# Altium PCB jlinkv9_big.PcbDoc
Units mil, origin at the board's own origin, x right, y up, seen from the top; angles counter-clockwise.
Board outline 3304 x 1387.96 mil, 2 copper layers (Top Layer, Bottom Layer); 66 components, 78 nets, 335 pads, 101 vias.
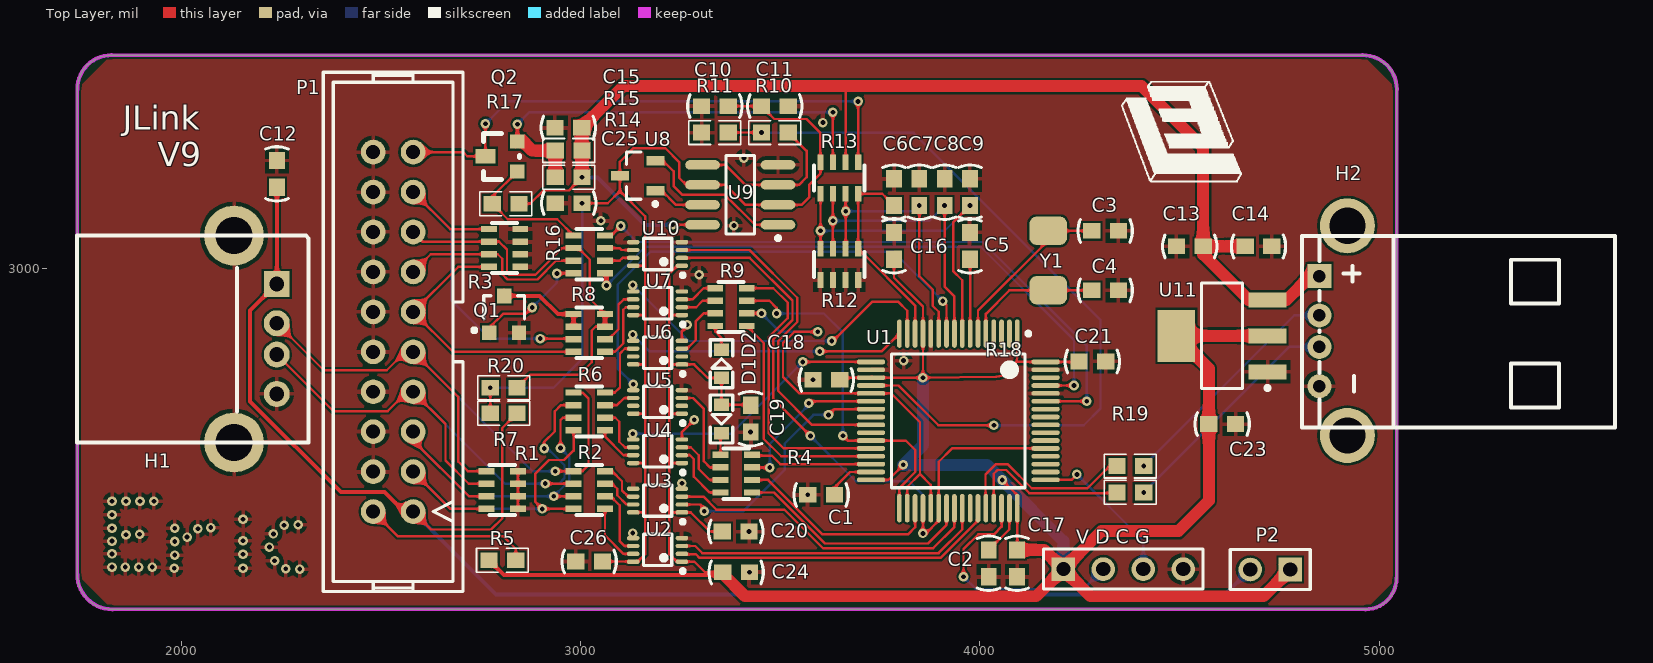
[diagram p0: Top Layer view]
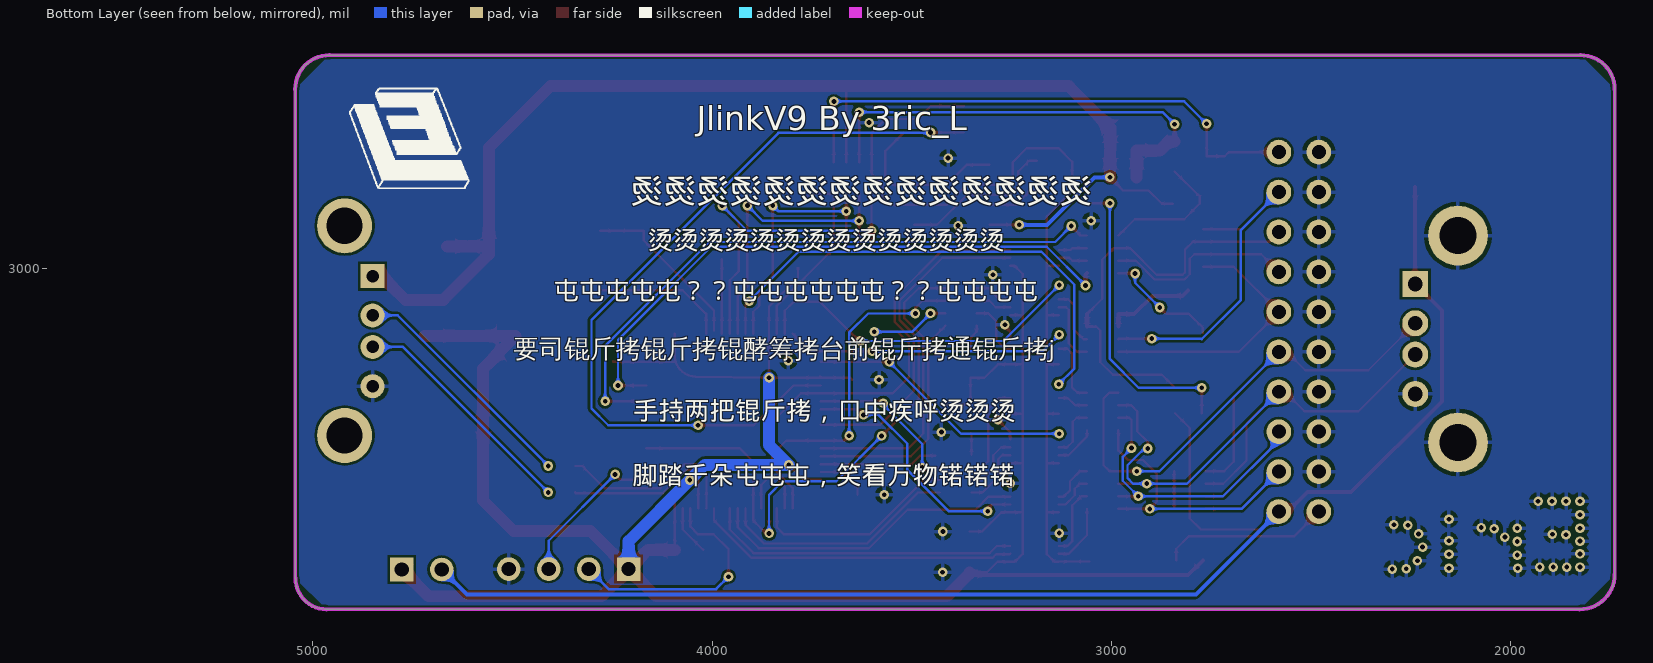
[diagram p1: Bottom Layer view, seen from below]
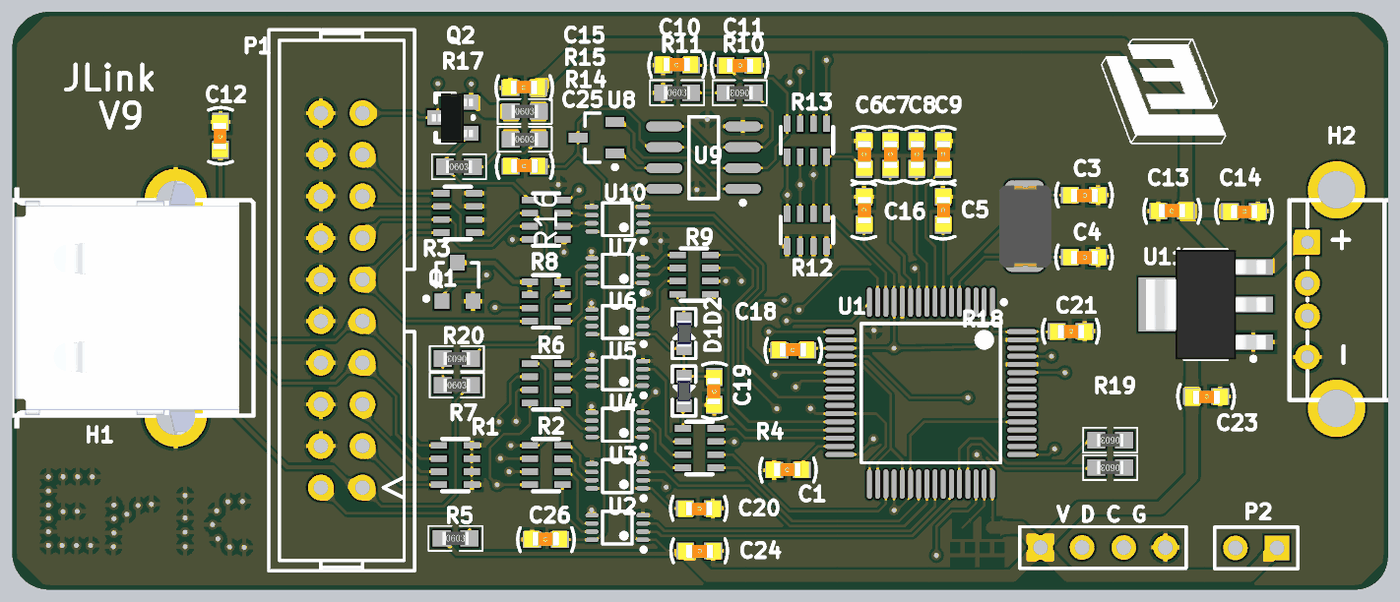
[diagram p2: 3D render of the assembled board from above, using the file's embedded part models]

## Layer stack, top to bottom
Top Solder: solder mask 0.4, Solder Resist, Dk 3.5
Top Layer: signal copper 1.4
Dielectric 1: dielectric 12.6, FR-4, Dk 4.8
Bottom Layer: signal copper 1.4
Bottom Solder: solder mask 0.4, Solder Resist, Dk 3.5

## Board outline
1740,2234.04 1740,3448 cw(c1826,3448) 1826,3534 4958,3534 cw(c4958,3448) 5044,3448 5044,2224.08 5043.05,2224.08 cw(c4965,2224.08) 4965,2146.04 1828,2146.04 cw(c1828,2234.04)

## Design rules (kind name [scope] priority, off if disabled: settings)
Clearance [All] p1: gap=6 ignorepadtopadclearanceinfootprint=FALSE
PolygonConnect [All] p1: connectstyle=Relief reliefconductorwidth=10 reliefentries=4 polygonreliefangle="90 Angle" airgapwidth=10
RoutingVias [All] p1: holewidth=28 width=50 viastyle="Through Hole" minholewidth=28 minwidth=50 maxholewidth=28 maxwidth=50
SolderMaskExpansion [All] p1: expansion=4
Width [All] p1: maxlimit=50 minlimit=6 preferedwidth=6
30 further rules are at their usual default settings.

## Components (designator, comment, footprint, x,y, rotation, side; value= is the part's Value field where it differs from the comment)
C1 "cap0603" cap0603 3236,2368 r0 top
C2 "cap0603" cap0603 4087,1894.93 r90 top
C3 "cap0603" cap0603 4680.07,3159 r180 top
C4 "cap0603" cap0603 4680.07,3010 r180 top
C5 "cap0603" cap0603 3910,3423 r270 top
C6 "cap0603" cap0603 3720,3557.07 r270 top
C7 "cap0603" cap0603 3783.33,3557.07 r270 top
C8 "cap0603" cap0603 3846.67,3557.07 r270 top
C9 "cap0603" cap0603 3910,3557.07 r270 top
C10 "cap0603" cap0603 2970,3341 r0 top
C11 "cap0603" cap0603 3853.07,3471 r180 top
C12 "cap0603" cap0603 2305,2870 r90 top
C13 "cap0603" cap0603 4158.93,2990 r0 top
C14 "cap0603" cap0603 5064.07,3120 r180 top
C15 "cap0603" cap0603 2602.93,3287 r0 top
C16 "cap0603" cap0603 3720,3423 r270 top
C17 "cap0603" cap0603 4158,1894.93 r90 top
C18 "cap0603" cap0603 3249,2656 r0 top
C19 "cap0603" cap0603 3491,2256.93 r90 top
C20 "cap0603" cap0603 3755.07,2406 r180 top
C21 "cap0603" cap0603 4648,2832 r180 top
C23 "cap0603" cap0603 4973.07,2675 r180 top
C24 "cap0603" cap0603 3756.07,2304 r180 top
C25 "cap0603" cap0603 2604,3098 r0 top
C26 "cap0603" cap0603 2655,2201 r0 top
D1 "LED" LED_0603_R 3351,2625 r270 top
D2 "LED" LED_0603_B 3353,2761 r90 top
H1 "USB母座" USB母座 2186,2823 r180 top
H2 "USB公头" USB公头 4885,2844 r180 top
P1 "JTAG" JTAG 2531,2841 r90 top
P2 "Header 2" HDR1X2 4777,2246 r180 top
Q1 "SS8050" SOT-23 2809,2885 r0 top
Q2 "S8550" 2N5551 2797,3281 r90 top
R1 "1K*4排阻" 1K*4排阻 2804,2445 r270 top
R2 "1K*4排阻" 1K*4排阻 3022,2445 r90 top
R3 "1K*4排阻" 1K*4排阻 2810,3051 r90 top
R4 "1K*4排阻" 1K*4排阻 3390,2486 r90 top
R5 "R0603" R0603 2894.54,2186 r0 top
R6 "1K*4排阻" 1K*4排阻 3022,2641.67 r90 top
R7 "R0603" R0603 2897.54,2554 r0 top
R8 "1K*4排阻" 1K*4排阻 3022,2838.33 r90 top
R9 "1K*4排阻" 1K*4排阻 3377,2903 r90 top
R10 "R0603" R0603 3396.46,3423 r180 top
R11 "R0603" R0603 3426.54,3257 r0 top
R12 "1K*4排阻" 1K*4排阻 3648,3010 r180 top
R13 "1K*4排阻" 1K*4排阻 3648,3226 r0 top
R14 "R0603" R0603 3060.46,3145 r0 top
R15 "R0603" R0603 3060.46,3212 r0 top
R16 "1K*4排阻" 1K*4排阻 3022,3035 r90 top
R17 "R0603" R0603 2902.46,3079 r0 top
R18 "R0603" R0603 4286.54,2522 r180 top
R19 "R0603" R0603 4286.54,2588 r180 top
R20 "R0603" R0603 2717.54,2784 r180 top
U1 "STM32F205RCT6" LQFP64_N 3946,2618 r270 top
U2 "74LVC2T45" 74LVC2T45 3192.98,2295 r90 top
U3 "74LVC2T45" 74LVC2T45 3192.98,2418.5 r90 top
U4 "74LVC2T45" 74LVC2T45 3192.98,2542 r90 top
U5 "74LVC2T45" 74LVC2T45 3192.98,2665.5 r90 top
U6 "74LVC2T45" 74LVC2T45 3192.98,2789 r90 top
U7 "74LVC2T45" 74LVC2T45 3192.98,2912.5 r90 top
U8 "BAT54C" SOT-23_N 3143,3232 r180 top
U9 "LM2904_NSC" SO8_N 3400,3184 r180 top
U10 "74LVC2T45" 74LVC2T45 3192.98,3036 r90 top
U11 "AMS1117_3.3" AMS1117_3.3 4659,2800 r90 top
"V D C G" "Header 4" HDR1X4 4209,2247 r0 top (schematic designator P3)
Y1 "XTAL-2PIN" XTAL-2PIN 4171,3094 r270 top

## Footprints (in the part's own frame and the unit in brackets; to place one, negate y for a bottom-side part, rotate by r counter-clockwise, add the part's x,y. Pads: shape width x height; smd on the part's side, far side on the other; paste and mask are expansions set on the pad)
1K*4排阻 [mm]
  rect 0.4x1 smd: 1(-1.2,-1) 2(-1.2,1) 3(-0.4,-1) 4(-0.4,1) 5(0.4,-1) 6(0.4,1) 7(1.2,-1) 8(1.2,1)
  silkscreen extent -1.6,-0.8 1.6,0.8, body extent -1.6,-0.84 1.6,0.84, height 0.5
2N5551 [mil]
  rect 36x36 smd: 1(-38.5,-45) 2(36.5,-45)
  rect 36x50 smd: 3(-0.5,35)
  silkscreen extent -58,-50 56,40, body extent -61,-49 58,49, height 44
74LVC2T45 [mm]
  oval 0.28x0.8 smd mask+0.051: 1(-0.75,-1.55) 2(-0.25,-1.55) 3(0.25,-1.55) 4(0.75,-1.55) 5(0.75,1.55) 6(0.25,1.55) 7(-0.25,1.55) 8(-0.75,1.55)
  silkscreen extent -1.47,-1.73 1,0.9
AMS1117_3.3 [mm]
  rect 0.95x2.4 smd: 1(-1.503,-1.554) 2(0.787,-1.554) 3(3.077,-1.554)
  rect 3.3x2.4 smd: 2(0.787,4.246)
  silkscreen extent -2.65,-1.68 4.14,2.65, body extent -2.56,-2.3 4.14,5, height 1.8
cap0603 [mm]
  rect 1.1x1 smd: 1(8.46,1.651) 2(10.16,1.651)
  silkscreen extent 7.58,0.92 11.04,2.38, body extent 7.98,1.18 10.58,2.18, height 0.89
HDR1X2 [mm] "Connector; Header; 2 Position"
  rect 1.5x1.5 hole 0.9: 1(0,0)
  round 1.5 hole 0.9: 2(2.54,0)
  silkscreen extent -1.27,-1.27 3.81,1.27
HDR1X4 [mm] "Connector; Header; 4 Position"
  rect 1.5x1.5 hole 0.9: 1(0,0)
  round 1.5 hole 0.9: 2(2.54,0) 3(5.08,0) 4(7.62,0)
  silkscreen extent -1.27,-1.27 8.89,1.27
JTAG [mil]
  round 62 hole 35: 1(-450,-50) 2(-450,50) 3(-350,-50) 4(-350,50) 5(-250,-50) 6(-250,50) 7(-150,-50) 8(-150,50) 9(-50,-50) 10(-50,50) 11(50,-50) 12(50,50) 13(150,-50) 14(150,50) 15(250,-50) 16(250,50) 17(350,-50) 18(350,50) 19(450,-50) 20(450,50)
  silkscreen extent -650,-175 650,175, body extent -653,-178 652,175, height 200
LED_0603_B [mm]
  rect 0.8x0.95 smd: 1(-0.9,0) 2(0.9,0)
  silkscreen extent -1.52,-0.71 1.52,0.71, body extent -0.8,-0.43 0.8,0.41, height 0.8
LED_0603_R [mm]
  rect 0.8x0.95 smd: 1(-0.849,0.051) 2(0.951,0.051)
  silkscreen extent -1.47,-0.66 1.57,0.76, body extent -0.75,-0.34 0.85,0.46, height 0.8
LQFP64_N [mm] "Thin QFP, 64-Leads, Body 10x10mm, Pitch 0.5mm, IPC Medium Density"
  oval 1.8x0.3 smd: 1(-5.55,3.75) 2(-5.55,3.25) 3(-5.55,2.75) 4(-5.55,2.25) 5(-5.55,1.75) 6(-5.55,1.25) 7(-5.55,0.75) 8(-5.55,0.25) 9(-5.55,-0.25) 10(-5.55,-0.75) 11(-5.55,-1.25) 12(-5.55,-1.75) 13(-5.55,-2.25) 14(-5.55,-2.75) 15(-5.55,-3.25) 16(-5.55,-3.75) 33(5.55,-3.75) 34(5.55,-3.25) 35(5.55,-2.75) 36(5.55,-2.25) 37(5.55,-1.75) 38(5.55,-1.25) 39(5.55,-0.75) 40(5.55,-0.25) 41(5.55,0.25) 42(5.55,0.75) 43(5.55,1.25) 44(5.55,1.75) 45(5.55,2.25) 46(5.55,2.75) 47(5.55,3.25) 48(5.55,3.75)
  oval 0.3x1.8 smd: 17(-3.75,-5.55) 18(-3.25,-5.55) 19(-2.75,-5.55) 20(-2.25,-5.55) 21(-1.75,-5.55) 22(-1.25,-5.55) 23(-0.75,-5.55) 24(-0.25,-5.55) 25(0.25,-5.55) 26(0.75,-5.55) 27(1.25,-5.55) 28(1.75,-5.55) 29(2.25,-5.55) 30(2.75,-5.55) 31(3.25,-5.55) 32(3.75,-5.55) 49(3.75,5.55) 50(3.25,5.55) 51(2.75,5.55) 52(2.25,5.55) 53(1.75,5.55) 54(1.25,5.55) 55(0.75,5.55) 56(0.25,5.55) 57(-0.25,5.55) 58(-0.75,5.55) 59(-1.25,5.55) 60(-1.75,5.55) 61(-2.25,5.55) 62(-2.75,5.55) 63(-3.25,5.55) 64(-3.75,5.55)
  silkscreen extent -5.67,-4.25 4.25,4.58, body extent -5,-5 5,5, height 1.6
R0603 [mm]
  rect 1.1x1 smd: 1(-3.136,2.108) 2(-1.436,2.108)
  silkscreen extent -3.94,1.35 -0.64,2.87, body extent -3.09,1.71 -1.49,2.51, height 0.45
SO8_N [mm] "SOIC, 8-Leads, Body 4.9x3.9mm, Pitch 1.27mm, IPC Medium Density"
  oval 2.2x0.6 smd: 1(-2.4,1.905) 2(-2.4,0.635) 3(-2.4,-0.635) 4(-2.4,-1.905) 5(2.4,-1.905) 6(2.4,-0.635) 7(2.4,0.635) 8(2.4,1.905)
  silkscreen extent -2.53,-2.5 0.9,2.88, body extent -2,-2.5 2,2.5, height 1.75
SOT-23 [mm]
  rect 0.9x0.95 smd: 1(-0.95,-1.175) 2(0.95,-1.175) 3(0,1.175)
  silkscreen extent -2.03,-1.14 1.3,1.18
SOT-23_N [mm] "SOT23, 3-Leads, Body 2.9x1.3mm, Pitch 0.95mm, Lead Span 2.5mm, IPC Medium Density"
  rect 1.15x0.6 smd: 1(-1.125,0.95) 2(-1.125,-0.95) 3(1.125,0)
  silkscreen extent -1.25,-1.5 0.7,1.92, body extent -0.7,-1.5 0.7,1.5, height 1.1
USB公头 [mil]
  rect 60x60 hole 31.5: 1(35,-136.5)
  round 60 hole 31.5: 2(35,-38.08) 3(35,40.66) 4(35,139.09)
  round 137.8 hole 90.55: 5(-35,262.5) 5(-35,-262.5)
  silkscreen extent -705,-238 78,242, body extent -710,-258 55,262, height 90
USB母座 [mil]
  rect 65x65 hole 37: 1(-53.5,-138)
  round 65 hole 37: 2(-53.5,-39.5) 3(-53.5,39) 4(-53.5,137.6)
  round 150 hole 93: 5(53.5,-259) 6(53.5,259)
  silkscreen extent -134,-259 447,259, body extent -99,-311 441,311, height 274
XTAL-2PIN [mm]
  rrect50% 1.8x2.4 smd: 1(0,0) 2(3.785,0)
  body extent -0.59,-1.56 4.41,1.64, height 1.35

## Part data
P2: "Header, 2-Pin"
Q1: "NPN贴片三极管"
U1: "STM32 ARM-based 32-bit MCU Connectivity Line with 256 kB Flash, 96 kB Internal RAM, -40 to +85癈 Temperature, 64-Pin LQFP, Tray"
U2 U3 U4 U5 U6 U7 U10: "2T45"
U9: "Fast Settling Dual Operational Amplifier"
"V D C G": "Header, 4-Pin"

## Via types
v1: diameter 24, hole 12, Top Layer to Bottom Layer, tented both sides, 101 vias

## Nets (pads, with @x,y where several pads share a name; then routed paths per layer and width w, separated by ;. In a path a pad name is that pad's centre, name@x,y a point inside that pad or via, vN(x,y) a via of type N, cw(c..) or ccw(c..) an arc to the next point about the centre after c; other vN are vias at no path point)
3V3: "V D C G.1" C16.2 C17.2 C18.2 C19.2 C20.2 C21.2 C23.2 C24.2 D1.1 D2.1 P2.1 R5.1 U1.1 U1.13 U1.19 U1.32 U1.48 U1.64 U2.1 U3.1 U4.1 U5.1 U6.1 U7.1 U10.1 U11.2 | length 6884.8
  Top Layer w6: 3222.55,2635.97 U5.1 ; 3222.55,2882.97 U7.1 ; U4.1 3223,2512.47 3222.53,2512 ; U10.1 3242.47,3006.47 3222.53,2986.53 3222.53,2883 3222.53,2759 ; C20.2 3324,2341 3276.03,2388.97 U3.1 3223.55,2388.97 3222.53,2390 ; C24.2 3311.68,2239 3285.21,2265.47 U2.1 3241.53,2265.47 3222.53,2284.47 3222.53,2390 ; C19.2 3424.5,2658.43 D1.1 D2.1 3318.43,2725.57 3284.53,2759.47 U6.1 3223,2759.47 3222.53,2759 ; C18.2 3654,2726 3696,2726 3696.27,2726.27 U1.19 ; U1.32 3770.36,2470.36 v1(3808,2508) ; U1.19@3730.23,2726 v1(3857.42,2726) ; C16.2@3785,3002.07 3785,2976.58 3857.42,2904.17 U1.13 v1(3857.42,2726) ; v1(4056,2470) 4093.64,2432.36 U1.48 4093.64,2295.57 C17.2 ; U1.1 4093.64,2781.64 cw(c4041,2781.64) 4091.15,2765.64 ; C21.2 4246.64,2765.64 U1.64 4091.15,2765.64 ; 3222.53,2390 3222.53,2512 ; 3222.53,2512 3222.53,2636 3222.53,2759 ; U1.19 cw(c3730.23,2726.27) 3730.23,2729 U1.19 ; v1(3857.42,2726) 4041,2729 ccw(c4041,2781.64) 4090.95,2765.02 4090.95,2765.64 4091.15,2765.64
  Top Layer w10: R5.1 2808.07,2232 3349.07,2232 C24.2
  Top Layer w30: C24.2 3356.07,2234.89 3411.96,2179 4141,2179 4209,2247 ; C17.2 4161.07,2294.93 4209,2247 ; U11.2@4720.17,2831 4491.83,2831 4573.07,2749.76 C23.2 4573.07,2418.07 4497,2342 4304,2342 4209,2247 ; P2.1 4710,2179 4277,2179 4209,2247
  Bottom Layer w30: v1(3857.42,2726) 3857.42,2557.42 v1(3808,2508) 4018,2508 v1(4056,2470) 4209,2317 4209,2247
5V: C13.2 C14.2 C15.2 H2.1 R13.6 R14.2 R15.2 R17.2 U9.8 U11.3 | length 3249.4
  Top Layer w6: R17.2 2874,3162 2907,3195 2970.93,3195 v1(3003.93,3228) ; v1(3231,3109) U9.8 ; 3663,3456 3663.75,3455.25 R13.6
  Top Layer w30: v1(3003.93,3228) R15.2 3002.93,3296 C15.2 3106.93,3456 3663,3456 4405,3456 4558.93,3302.07 C13.2 ; C14.2 C13.2 ; H2.1 4827.5,2980.5 4768.16,2921.16 U11.3 4672.84,2921.16 4558.93,3035.07 C13.2
  Bottom Layer w10: v1(3003.93,3228) 3043,3228 3162,3109 v1(3231,3109)
DDM: R19.2 U1.44 | length 472.1
  Top Layer w6: U1.44 4014,2400.39 4014,2484 4039,2509 4070,2509 4129.64,2449.36 4269.36,2449.36 4325,2505 R19.2
DDP: R18.2 U1.45 | length 423
  Top Layer w6: U1.45 4034.58,2485.58 4044,2495 4066,2495 4123.64,2437.36 4341.43,2437.36 R18.2
eNSRST: P1.15 R3.6 R8.5 R8.7 R16.6 R20.1 | length 1073.1
  Top Layer w6: P1.15 2605.25,3066.75 R3.6 2796.25,3066.75 2816,3047 2816,2989.97 2821.97,2984 2887.03,2984 2953.78,3050.75 R16.6 2994.25,3050.75 3023,3022 3023,2923.95 R8.7 ; R20.1 2874.01,2734 2997,2734 3028,2765 3028,2844 3038.08,2854.08 R8.5
  Top Layer w10: R8.5 R8.7
eNTRST: P1.3 R1.7 R2.2 R6.2 | length 928.2
  Top Layer w6: P1.3 2674.24,2397.76 R1.7 ; R2.2 v1(2904.24,2397.76) 2887,2415 2887,2486 2921,2520 2959,2520 2982.63,2543.63 R6.2
  Bottom Layer w6: P1.3 2674.24,2397.76 v1(2904.24,2397.76)
ePWR: P1.19 Q2.3 R13.8 | length 1375.8
  Top Layer w6: P1.19 2706,3291 2716.5,3280.5 Q2.3 v1(2762,3362) ; v1(3695,3418) 3695,3265.61 R13.8
  Bottom Layer w6: v1(2762,3362) 2818,3418 v1(3695,3418)
eRTCK: P1.11 R3.2 R8.2 | length 679.3
  Top Layer w6: R3.2 2693.76,3003.76 P1.11 2680.91,2791.09 R8.2
eRXD: P1.17 R3.8 R8.4 | length 886
  Top Layer w6: P1.17 2673.76,3098.24 R3.8 ; v1(2899,2824) 2981.22,2824 R8.4
  Bottom Layer w6: P1.17 2676,3096 2676,2921 2774.41,2822.59 2775.83,2824 v1(2899,2824)
eTCK: H1.2 P1.9 R1.1 R2.8 R6.8 | length 1591.1
  Top Layer w6: H1.2 2357,2745 2515,2745 2561,2791 P1.9 2694,2678 2694,2516 2717.76,2492.24 R1.1 ; v1(2937,2492) 2982.39,2492 R2.8 3005.24,2492.24 3020,2507 3020,2674 3005.09,2688.91 R6.8
  Bottom Layer w6: P1.9 2880,2492 v1(2937,2492)
eTDI: P1.5 R1.5 R2.4 R6.4 | length 996.1
  Top Layer w6: P1.5 2581,2569 2720.75,2429.25 R1.5 ; v1(2933,2429.25) R2.4 ; v1(2950,2550) 2950,2620 2955.92,2625.92 R6.4
  Bottom Layer w6: P1.5 2581,2569 2720.75,2429.25 v1(2933,2429.25) 2972,2468.25 2972,2528 v1(2950,2550)
eTDO: P1.13 R3.4 R16.4 | length 488.6
  Top Layer w6: P1.13 2625.25,3035.25 R3.4 2792.75,3035.25 2804,3024 2804,2985 2817,2972 2892,2972 2939.25,3019.25 R16.4
eTMS: H1.3 P1.7 R1.3 R2.6 R6.6 | length 1562.3
  Top Layer w6: H1.3 2240.38,2784 2262.58,2761.8 2262.58,2760.92 2381.5,2642 2517,2642 2566,2691 P1.7 2662,2610 2662,2519 2720.25,2460.75 R1.3 ; v1(2909,2549) 2909,2565 2936,2592 2936,2642 2951.41,2657.41 R6.6 ; v1(2912,2461) 2982.38,2461 R2.6
  Bottom Layer w6: P1.7 2811.25,2460.75 2811.5,2461 v1(2912,2461) 2945.5,2461 2945.75,2460.75 2960,2475 2960,2507 2918,2549 v1(2909,2549)
GND: "V D C G.4" C1.1 C2.1 C3.1 C4.1 C5.1 C6.1 C7.1 C8.1 C9.1 C10.1 C11.1 C12.2 C13.1 C14.1 C15.1 C16.1 C17.1 C18.1 C19.1 C20.1 C21.1 C23.1 C24.1 C25.1 C26.1 H1.4 H1.5 H1.6 H2.4 P1.4 P1.6 P1.8 P1.10 P1.12 P1.14 P1.16 P1.18 P1.20 Q1.2 R1.2 R1.4 R1.6 R1.8 R3.1 R3.3 R3.5 R3.7 R11.1 R12.2 R12.4 R12.6 R12.8 U1.12 U1.18 U1.60 U1.63 U2.4 U2.5 U3.4 U3.5 U4.4 U5.4 U6.4 U7.4 U9.4 U10.4 U10.5 U11.1 | length 202.7
  Top Layer w6: R1.8 R1.6 R1.4 R1.2 ; U4.4 3254,2590 v1(3285,2621) ; U6.4 3254,2842 3267,2855 v1(3267,2859)
  other v1: 3423,2239 2297,2247 2262,2248 1983,2249 2155,2249 1827,2252 1860,2252 1894,2252 1928,2252 2234,2268 1984,2282 2155,2284 1827,2285 2221,2302 1984,2316 1827,2317 2155,2318 2015,2327 1862,2333 1896,2334 2231,2335 3131,2337 3422,2341 2042,2348 1827,2349 1984,2349 2074,2351 2258,2357 2293,2358 2155,2372 1827,2383 1827,2417 1862,2417 1897,2417 1932,2417 3569.07,2433 3254,2462 3426,2590 3582.07,2721 3809,2769 3297,2984 3384,3107 3051,3119 3409,3276 3607,3365
nCTL1: U1.10 U5.5 | length 1250.3
  Top Layer w6: v1(3907,2918) 3916.47,2908.53 U1.10
  Bottom Layer w6: v1(3132,2710) 3093,2749 3093,2959 3176,3042 3783,3042 v1(3907,2918)
nCTL2: U1.15 U7.5 | length 852.2
  Top Layer w6: v1(3629,2818) 3632,2818 3730,2916 3796,2916 3818.05,2893.95 U1.15
  Bottom Layer w6: v1(3131,2958) 3271,2818 v1(3629,2818)
nCTL3: U1.16 U6.5 | length 703.2
  Top Layer w6: v1(3599,2792) 3753.86,2792 U1.16
  Bottom Layer w6: v1(3131,2834) 3173,2792 v1(3599,2792)
nCTL4: U1.17 U4.5 | length 671
  Top Layer w6: v1(3556.31,2765.69) U1.17@3727.5,2765.69
  Bottom Layer w6: v1(3131,2586) 3376.63,2586 v1(3556.31,2765.69)
nDAT1: U1.43 U2.2 | length 815.1
  Top Layer w6: U2.2 3255.16,2284 3289,2284 3298,2275 3901.64,2275 3995.21,2368.57 U1.43
nDAT2: U1.41 U2.3 | length 787.1
  Top Layer w6: U2.3 3287.16,2304.84 3305,2287 3896.67,2287 3955.84,2346.17 U1.41
nDAT3: U1.23 U3.2 | length 629
  Top Layer w6: U3.2 3300.34,2408.66 3310,2399 v1(3310,2392) ; v1(3621,2633) 3635.53,2647.53 U1.23
  Bottom Layer w6: v1(3310,2392) 3408,2392 3511,2495 3511,2561 3583,2633 v1(3621,2633)
nDAT4: U1.40 U3.3 | length 805.1
  Top Layer w6: U3.3 3307.66,2428.34 3340,2396 3510.06,2396 3607.06,2299 3883,2299 3936.16,2352.16 U1.40
nDAT5: R4.1 U1.39 | length 601.3
  Top Layer w6: R4.1 3484.27,2438.76 3612.03,2311 3870,2311 3916.47,2357.47 U1.39
nDAT6: R4.3 U1.35 | length 519.9
  Top Layer w6: R4.3 3469.75,2470.25 3606,2334 3820,2334 3837.73,2351.73 U1.35
nDAT7: R4.5 U1.22 | length 404.8
  Top Layer w6: R4.5 3430.12,2501 v1(3474,2501) ; v1(3571.43,2662.43) 3576.21,2667.21 U1.22
  Bottom Layer w6: v1(3474,2501) 3474,2560 3571.43,2657.43 v1(3571.43,2662.43)
nDAT8: R9.3 U1.21 U1.34 U1.37 | length 1095.4
  Top Layer w6: R9.3 v1(3453.25,2887.25) ; v1(3594,2841) 3535.27,2841 3507,2812.73 3507,2728 3548.1,2686.9 U1.21 3777.9,2686.9 3850,2614.8 3850,2485.03 ; U1.34 3818.05,2453.08 3850,2485.03 ; U1.37 3877.1,2457.93 3850,2485.03
  Bottom Layer w6: v1(3453.25,2887.25) 3499.5,2841 v1(3594,2841)
nDAT9: R9.5 U1.27 U1.33 | length 897.7
  Top Layer w6: R9.5 3473.25,2918.75 3491,2901 v1(3491,2887) ; v1(3657,2581) 3669.21,2568.79 U1.27 3814.21,2568.79 3838,2545 3838,2490 3798.36,2450.36 U1.33
  Bottom Layer w6: v1(3491,2887) 3609,2887 3657,2839 v1(3657,2581)
nDAT10: R9.7 U1.28 | length 736.6
  Top Layer w6: R9.7 3482.76,2950.24 3518.84,2914.16 3518.84,2875.48 3471,2827.64 3471,2587 3508.9,2549.1 U1.28
nDAT11: U1.36 U1.38 U1.53 U10.2 | length 1701.8
  Top Layer w6: U10.2 3423.84,3026.16 3530.84,2919.16 3530.84,2870.51 3483,2822.67 3483,2673 v1(3575.5,2580.5) ; U1.36 v1(3857.42,2336.42) 3864.63,2336.42 3896.79,2368.57 U1.38 3896.79,2515.79 3930.1,2549.1 U1.53
  Bottom Layer w6: v1(3575.5,2580.5) 3689,2467 3823,2467 3857.42,2432.58 v1(3857.42,2336.42)
nDAT12: U1.25 U10.3 | length 859
  Top Layer w6: U10.3 3423.16,3045.84 3542.84,2926.16 3542.84,2865.54 3495,2817.7 3495,2693 3579.84,2608.16 U1.25
NetC1_2: C1.2 U1.31 | length 125.7
  Top Layer w6: C1.2 3636,2451 3675.05,2490.05 U1.31
NetC2_2: C2.2 U1.47 | length 126.1
  Top Layer w6: C2.2 4073.95,2346.88 U1.47
NetC5_2: C5.2 U1.7 | length 186.5
  Top Layer w6: U1.7 C5.2@3975.53,3023
NetD1_2: D1.2 R4.8 | length 55.3
  Top Layer w6: R4.8 3350.63,2585.2 D1.2
NetD2_2: D2.2 R9.2 | length 65.7
  Top Layer w6: R9.2 3337.63,2841.37 3353,2826 D2.2
NetH2_2: H2.2 R19.1 | length 596.2
  Bottom Layer w6: v1(4410,2505) 4787.08,2882.08 H2.2
NetH2_3: H2.3 R18.1 | length 590.9
  Bottom Layer w6: v1(4410,2439) 4774.34,2803.34 H2.3
NetP1_2: P1.2 R5.2 | length 424.5
  Top Layer w6: P1.2 2543,2329 2807,2329 2838,2298 R5.2
NetQ1_1: Q1.1 R16.2 | length 298.3
  Top Layer w6: Q1.1 2771.6,2851.74 2805.86,2886 2863,2886 v1(2879,2902) ; v1(2941,2987) 2939.51,2987 2938.76,2987.76 R16.2
  Bottom Layer w6: v1(2879,2902) 2941,2964 v1(2941,2987)
NetQ1_3: Q1.3 R8.6 R8.8 | length 229.4
  Top Layer w10: Q1.3@2809,2944.26 2822,2931.26 2897.74,2931.26 2943.42,2885.58 R8.8 R8.6
NetQ2_1: Q2.1 R16.8 R17.1 | length 343.3
  Top Layer w6: Q2.1 2779,3179.5 R17.1 2818,3123 2941.87,3123 R16.8
NetR2_1: R2.1 U2.7 | length 156
  Top Layer w6: R2.1 3061.37,2331.63 3107.84,2285.16 U2.7
NetR2_3: R2.3 U2.6 | length 174.8
  Top Layer w6: R2.3 3075.75,2429.25 3098,2407 3098,2317 3110.16,2304.84 U2.6
NetR2_5: R2.5 U3.7 | length 101.5
  Top Layer w6: R2.5 3079.25,2460.75 3092,2448 3092,2432 3115.34,2408.66 U3.7
NetR2_7: R2.7 U3.6 | length 110.5
  Top Layer w6: R2.7 3078.76,2492.24 3104,2467 3104,2444 3119.66,2428.34 U3.6
NetR4_2: R4.2 U4.2 | length 161.1
  Top Layer w6: U4.2 3273.84,2532.16 3284,2522 3284,2478 3323.24,2438.76 R4.2
NetR4_4: R4.4 U4.3 | length 150.3
  Top Layer w6: U4.3 3276.16,2551.84 3296,2532 3296,2498 3323.75,2470.25 R4.4
NetR4_6: R4.6 U5.3 | length 245.3
  Top Layer w6: U5.3 3281.66,2675.34 3309,2648 3309,2517 3324.25,2501.75 R4.6
NetR6_1: R6.1 U4.7 | length 105.6
  Top Layer w6: R6.1 3061.37,2578.63 3107.84,2532.16 U4.7
NetR6_3: R6.3 U4.6 | length 130.6
  Top Layer w6: R6.3 3087.08,2625.92 3097,2616 3097,2566 3111.16,2551.84 U4.6
NetR6_5: R6.5 U5.6 | length 78
  Top Layer w6: R6.5 3091.41,2657.41 3109.34,2675.34 U5.6
NetR6_7: R6.7 U6.6 | length 165.9
  Top Layer w6: R6.7 3085.91,2688.91 3099,2702 3099,2787.03 3110.81,2798.84 U6.6
NetR8_1: R8.1 U7.7 | length 166
  Top Layer w6: R8.1 3086.09,2791.09 3107.2,2812.2 3107.2,2896.2 3113.66,2902.66 U7.7
NetR8_3: R8.3 U7.6 | length 148
  Top Layer w6: R8.3 3070.16,2822.59 3095.2,2847.63 3095.2,2909.2 3108.34,2922.34 U7.6
NetR9_4: R9.4 U6.3 | length 147.8
  Top Layer w6: U6.3 3266.84,2798.84 3289,2821 3289,2868 3308.25,2887.25 R9.4
NetR9_6: R9.6 U7.2 | length 90.3
  Top Layer w6: U7.2 3289.66,2902.66 3305.75,2918.75 R9.6
NetR9_8: R9.8 U7.3 | length 95.2
  Top Layer w6: U7.3 3280.34,2922.34 3308.24,2950.24 R9.8
NetR10_1: R10.1 U9.3 U9.5 | length 420.2
  Top Layer w6: U9.5 3363,3259 3413,3209 U9.3 3547,3209 3566,3228 3566,3293.93 R10.1
NetR16_3: R16.3 U10.7 | length 73.4
  Top Layer w6: R16.3 3098.25,3019.25 3105.16,3026.16 U10.7
NetR16_5: R16.5 U10.6 | length 72.6
  Top Layer w6: R16.5 3098,3050.75 3102.91,3045.84 U10.6
NetU8_1: U8.1 U9.7 | length 133
  Top Layer w6: U8.1 3203.4,3194.6 3239,3159 U9.7
NetU8_2: U8.2 U9.1 | length 395.3
  Top Layer w6: U8.2 3206.6,3269.4 3233,3243 3233,3206 3255,3184 3362,3184 3437,3109 U9.1
nPWR: R16.7 U1.59 | length 1582.1
  Top Layer w6: R16.7 3077.24,3082.24 v1(3101,3106) ; U1.59 v1(4267.79,2667.21)
  Bottom Layer w6: v1(3101,3106) 3141,3066 4006.97,3066 4267.79,2805.18 v1(4267.79,2667.21)
nSRST: R16.1 U1.61 | length 1524.7
  Top Layer w6: U1.61 v1(4235.58,2706.58)
  Top Layer w10: R16.1 3065,2984.13 v1(3065,2957)
  Bottom Layer w6: v1(3065,2957) 3162,3054 4002,3054 4235.58,2820.42 v1(4235.58,2706.58)
pADC1: C9.2 R12.7 R13.1 U1.8 | length 885
  Top Layer w6: R12.7 3601,3049.61 v1(3601,3094) 3601,3186.39 R13.1 ; U1.8 3955.84,2970.16 3933,2993 3933,3115.07 v1(3975,3157.07)
  Bottom Layer w6: v1(3601,3094) 3911.93,3094 v1(3975,3157.07)
pADC2: C8.2 R12.5 R13.3 U1.9 | length 763.6
  Top Layer w6: R12.5 3632,3049.62 v1(3632,3119) 3632,3186.38 R13.3 ; v1(3911.67,3157.07) 3911.67,2954.33 3936.16,2929.84 U1.9
  Bottom Layer w6: v1(3632,3119) 3873.6,3119 v1(3911.67,3157.07)
pADC3: C7.2 R12.3 R13.5 U1.11 | length 668.3
  Top Layer w6: R12.3 3664,3049.62 v1(3664,3143) 3664,3186.38 R13.5 ; v1(3848.33,3157.07) 3848.33,2980.67 3882,2947 3882,2906 3896.79,2891.21 U1.11
  Bottom Layer w6: v1(3664,3143) 3834.26,3143 v1(3848.33,3157.07)
pADC4: C6.2 R12.1 R13.7 U1.14 | length 511.1
  Top Layer w6: C6.2 3755.44,3186.63 R13.7 R12.1 3837.73,2906.88 U1.14
pLED1: R4.7 U1.30 | length 295.3
  Top Layer w6: R4.7@3441,2531 3479,2531 3500.27,2509.73 U1.30
pLED2: R9.1 U1.29 | length 587
  Top Layer w6: R9.1 3459,2813.13 3459,2573 3502.58,2529.42 U1.29
SWCLK: "V D C G.3" U1.49 | length 389.9
  Top Layer w6: U1.49 4229.36,2470.36 v1(4243,2484)
  Bottom Layer w6: v1(4243,2484) 4409,2318 4409,2247
SWDIO: "V D C G.2" U1.46 | length 617.4
  Top Layer w6: v1(3959,2228) 3959,2297 3996,2334 4035,2334 4054.27,2353.27 U1.46
  Bottom Layer w6: v1(3959,2228) 3990,2197 4259,2197 4309,2247
tMA: Q2.2 R13.4 R14.1 R15.1 | length 1143
  Top Layer w6: Q2.2 v1(2842,3361) ; v1(3632,3391) 3632,3265.62 R13.4
  Top Layer w30: Q2.2 2856.5,3317.5 2879,3295 R15.1 R14.1
  Bottom Layer w6: v1(2842,3361) 2872,3391 v1(3632,3391)
tVEE: R10.2 R11.2 U1.20 | length 1983.5
  Top Layer w6: R11.2 v1(3453,3340) ; U1.20 3796.42,2706.58 3896,2607 v1(4035,2607)
  Bottom Layer w6: v1@3453,3345 3459,3339 3834,3339 4302,2871 4302,2649 4260,2607 v1(4035,2607)
VEE: C10.2 C11.2 C25.2 C26.2 R7.1 R13.2 R20.2 U2.8 U3.8 U4.8 U5.8 U6.8 U7.8 U8.3 U9.2 U9.6 U10.8 | length 3134.5
  Top Layer w6: R7.1 v1(2774.08,2701) ; v1(3004,3163) 3068.42,3163 3098.71,3193.29 ; C26.2 3131.43,2266 U2.8 3143.03,2265.47 3162,2284.45 3162,2389 3162,2512 ; U3.8 3161.97,2388.97 ; U4.8 3161.53,2512.47 3162,2512 ; U5.8 3161.97,2635.97 ; U6.8 3161.47,2759.47 3162,2760 ; U7.8 3161.03,2882.97 3162,2882 ; U10.8 3161.47,3006.47 3162,3007 ; C10.2 C11.2 3485.07,3374 3566,3374 3600.76,3339.24 R13.2 3600.76,3237.76 3573,3210 3573,3179 3553,3159 U9.2 3413,3159 3363,3209 U9.6 3265,3209 3247,3227 3247,3266 3212,3301 3133,3301 3098.71,3266.71 U8.3 3098.71,3193.29 ; 3098.71,3193.29 3162,3130 3162,3007 ; 3162,2512 3162,2636 3162,2760 ; 3162,2760 3162,2882 ; 3162,2882 3162,3007
  Bottom Layer w6: v1(2774.08,2701) 2932,2701 3004,2773 v1(3004,3163)
Vref: C12.1 H1.1 P1.1 P2.2 R7.2 | length 3826
  Top Layer w6: P1.1 2626,2346 2776,2346 2804,2374 2804,2599.99 R7.2
  Top Layer w10: H1.1 2173,2894.5 2173,2667 2400,2440 2509,2440 2558,2391 P1.1 ; H1.1@2240,2961.5 C12.1
  Top Layer w30: H1.1 H1.1@2240,2961.5
  Bottom Layer w10: P1.1 2789,2183 4614,2183 P2.2
X1: C4.2 U1.5 Y1.2 | length 339.1
  Top Layer w6: U1.5 4014.9,2886 4073.9,2945 Y1.2 C4.2
X2: C3.2 U1.6 Y1.1 | length 432.9
  Top Layer w6: U1.6@3995.21,2843 3995.21,2894.21 4171,3070 Y1.1 C3.2
pads on no net: H2.5 U1.2 U1.3 U1.4 U1.24 U1.26 U1.42 U1.50 U1.51 U1.52 U1.54 U1.55 U1.56 U1.57 U1.58 U1.62 U5.2 U5.7 U6.2 U6.7

## Polygon pours and split planes (outlines as drawn)
GND on Top Layer "Top Overlay-No Net" (solid, remove dead copper, pour order 10): 1826,3534 1740,3448 1740,2234.04 1828,2146.04 4965.95,2146.04 5044,2224.08 5044,3448 4958,3534
GND on Bottom Layer "Top Overlay-No Net" (solid, remove dead copper, pour order 14): 1826,3534 1740,3448 1740,2234.04 1828,2146.04 4965,2146.04 5043.05,2224.08 5044,2224.08 5044,3448 4963,3529 4963,3537

## Keep-outs
Keep-Out Layer:
  lines w8.66: 1740,2234.04 1740,3448 ; 1826,3534 4958,3534 ; 1828,2146.04 4965,2146.04 ; 5044,2224.08 5044,3448
  lines w10: 1740,2234.04 ccw(c1828,2234.04) 1828,2146.04 ; 1740,3448 cw(c1826,3448) 1826,3534 ; 4958,3534 cw(c4958,3448) 5044,3448 ; 4965,2146.04 ccw(c4965,2224.08) 5043.05,2224.08

## Silkscreen, mask and mechanical layers (free items; w line width, h text height)
Top Overlay:
  drawing of 765 lines, arcs and shapes, not listed
  text "JLink" at 1854,3347 h60
  text "V9" at 1941,3256 h60
Bottom Overlay:
  drawing of 765 lines, arcs and shapes, not listed
  text "JlinkV9 By 3ric_L" at 4038,3346 h60
  text "烫烫烫烫烫烫烫烫烫烫烫烫烫烫" at 3047,3164 h60
  text "烫烫烫烫烫烫烫烫烫烫烫烫烫烫" at 4161,3031 h80
  text "屯屯屯屯屯？？屯屯屯屯屯屯？？屯屯屯屯" at 4397,2905 h80
  text "要司锟斤拷锟斤拷锟酵筹拷台前锟斤拷通锟斤拷j" at 4497,2760 h80
  text "手持两把锟斤拷，口中疾呼烫烫烫" at 4198,2604 h80
  text "脚踏千朵屯屯屯，笑看万物锘锘锘" at 4200,2443 h80